# Altium PCB BA-77GHz-Radar_Frontend.PcbDoc (part 3 of 4) (continued)
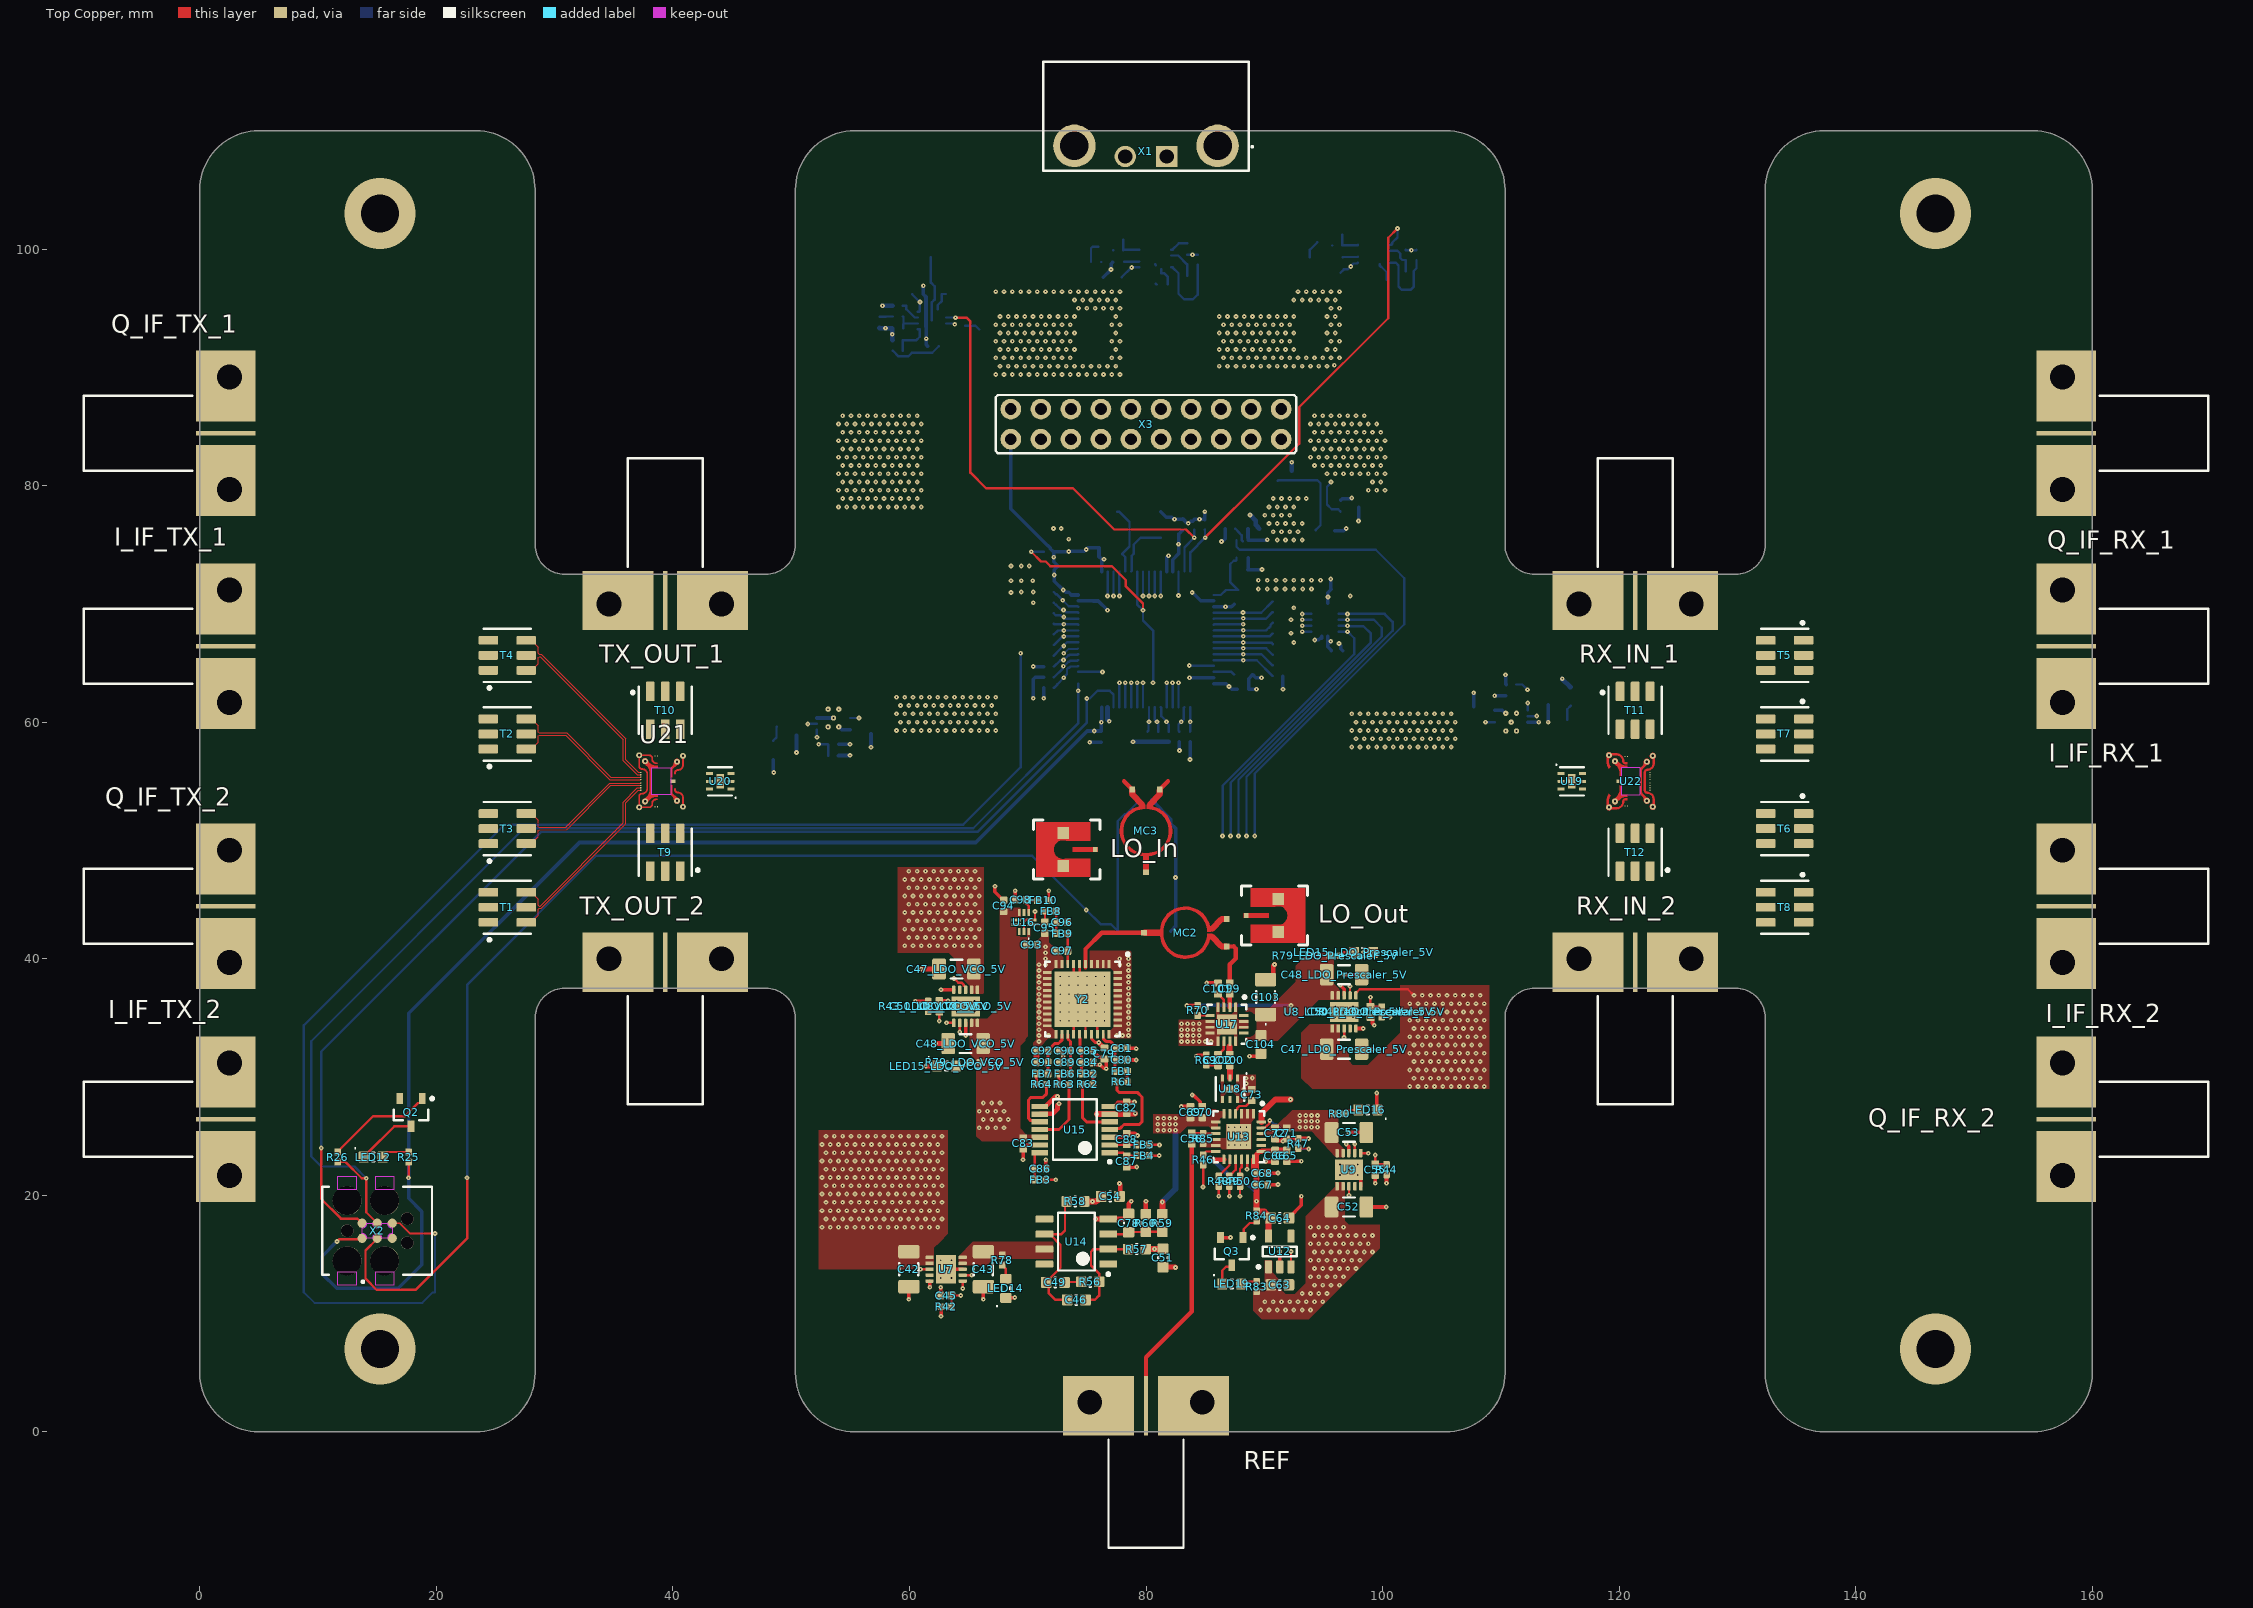
[diagram p0: Top Copper view]
## Nets (pads, with @x,y where several pads share a name; then routed paths per layer and width w, separated by ;. In a path a pad name is that pad's centre, name@x,y a point inside that pad or via, vN(x,y) a via of type N, cw(c..) or ccw(c..) an arc to the next point about the centre after c; other vN are vias at no path point) (continued)
NetC29_1: C29.1 L2.1 U5.8 | length 0.2
  Bot Copper w0.2: U5.8@80.775,98.7 U5.8@80.838,98.638 ; C29.1@80.838,97.062 C29.1@80.9,97
NetC29_2: C29.2 U5.7 | length 1.7
  Bot Copper w0.2: U5.7@81.275,98.3 81.275,97.966 81.517,97.966 81.85,97.633 C29.2@81.85,97
NetC32_2: C32.2 R32.2 R36.2 U5.9 | length 8.3
  Signal Layer 2 w0.2: v1(78.785,98.44) 79.86,99.515 v1(83.935,99.515)
  Bot Copper w0.2: C32.2@77.95,97.6 77.95,97.625 78.775,98.45 U5.9@79.425,98.45 ; R32.2@83.475,99.525 R36.2@84.375,99.525
NetC33_2: C33.2 U5.10 | length 1.3
  Bot Copper w0.2: C33.2@78.15,98.9 78.175,98.925 79.4,98.925 U5.10@79.425,98.95
NetC36_1: C36.1 L3.1 U6.8
NetC36_2: C36.2 U6.7 | length 1.6
  Bot Copper w0.2: U6.7@99.775,98.7 99.775,98.575 99.85,98.5 99.883,98.5 100.35,98.033 C36.2@100.35,97.4
NetC39_2: C39.2 R37.2 R41.2 U6.9 | length 8.4
  Signal Layer 2 w0.2: v1(97.312,98.517) 98.698,99.903 v1(102.435,99.903)
  Bot Copper w0.2: C39.2@96.45,98 96.729,98.279 97.054,98.279 97.55,98.775 97.85,98.775 U6.9@97.925,98.85 ; R37.2@101.975,99.925 101.975,99.913 102.875,99.913 R41.2@102.875,99.925
NetC40_2: C40.2 U6.10 | length 1.3
  Bot Copper w0.2: C40.2@96.65,99.3 96.675,99.325 97.9,99.325 U6.10@97.925,99.35
NetC45_2: C45.2 R42.2 U7.7 | length 5.1
  Top Copper w0.2: R42.2@63.525,10.573 63.55,10.598 63.55,11.498 C45.2@63.575,11.523 v1(64.34,11.523) ; U7.7@64.5,13.248 v1(65.265,13.248)
  Signal Layer 2 w0.2: v1(64.34,11.523) 64.364,11.5 65.133,11.5 65.265,11.633 v1(65.265,13.248)
NetC49_2: C49.2 R56.1 | length 1.4
  Top Copper w0.2: C49.2@73.11,12.628 73.147,12.666 74.523,12.666 R56.1@74.535,12.678
NetC50_LDO_Prescaler_5V_2: C50_LDO_Prescaler_5V.2 R43_LDO_Prescaler_5V.2 U8_LDO_Prescaler_5V.7 | length 4.8
  Top Copper w0.2: U8_LDO_Prescaler_5V.7@97.25,36.9 v1(97.25,37.665) ; v1(98.975,36.74) C50_LDO_Prescaler_5V.2@98.975,35.975 99,35.95 99.9,35.95 R43_LDO_Prescaler_5V.2@99.925,35.925
  Signal Layer 2 w0.2: v1(97.25,37.665) 98.312,37.665 98.314,37.667 98.937,37.044 98.937,36.779 v1(98.975,36.74)
NetC50_LDO_VCO_5V_2: C50_LDO_VCO_5V.2 R43_LDO_VCO_5V.2 U8_LDO_VCO_5V.7 | length 5
  Top Copper w0.2: R43_LDO_VCO_5V.2@61.575,35.55 61.6,35.525 62.5,35.525 C50_LDO_VCO_5V.2@62.525,35.5 v1(62.525,34.735) ; v1(64.25,33.81) U8_LDO_VCO_5V.7@64.25,34.575
  Signal Layer 2 w0.2: v1(62.525,34.735) 62.525,34.125 62.84,33.81 v1(64.25,33.81)
NetC55_2: C55.2 R44.2 U9.7 | length 4.7
  Top Copper w0.2: U9.7@97.659,23.559 v1(97.659,24.324) ; v1(99.384,23.399) C55.2@99.384,22.634 99.409,22.609 100.309,22.609 R44.2@100.334,22.584
  Signal Layer 2 w0.2: v1(97.659,24.324) 98.655,24.324 99.346,23.634 99.346,23.438 v1(99.384,23.399)
NetC56_2: C56.2 REF.1 | length 23.7
  Top Copper w0.367: REF.1@80,2.2 80,6.3 83.875,10.175 C56.2@83.875,24.323
NetC60_LDO_RX_3V3_2: C60_LDO_RX_3V3.2 R45_LDO_RX_3V3.2 U10_LDO_RX_3V3.7 | length 4.5
  Signal Layer 2 w0.2: v1(112.25,62.75) 113.04,61.96 v1(113.04,60.526)
  Bot Copper w0.2: R45_LDO_RX_3V3.2@111.3,63.183 111.817,63.183 v1(112.25,62.75) ; U10_LDO_RX_3V3.7@112.275,60.5 112.288,60.513 113.027,60.513 v1(113.04,60.526)
NetC60_LDO_TX_3V3_2: C60_LDO_TX_3V3.2 R45_LDO_TX_3V3.2 U10_LDO_TX_3V3.7 | length 4.7
  Signal Layer 2 w0.2: v1(51.41,59.85) 51.41,58.854 52.1,58.163 52.296,58.163 v1(52.335,58.125)
  Bot Copper w0.2: v1(51.41,59.85) U10_LDO_TX_3V3.7@52.175,59.85 ; v1(52.335,58.125) C60_LDO_TX_3V3.2@53.1,58.125 53.125,58.1 53.125,57.192 R45_LDO_TX_3V3.2@53.15,57.167
NetC96_2: C96.2 FB8.2 FB9.1 | length 1.9
  Top Copper w0.2: FB9.1@72.425,42.125 C96.2@72.425,43.075 FB8.2@72.425,44.025
NetC102_2: C102.2 R69.2 | length 1
  Top Copper w0.2: R69.2@85.114,31.003 85.139,30.978 86.064,30.978 C102.2@86.089,30.953
NetFB1_1: FB1.1 R61.2 | length 0.9
  Top Copper w0.25: R61.2@78.41,29.581 FB1.1@78.41,30.481
NetFB2_1: FB2.1 R62.2 | length 0.9
  Top Copper w0.25: R62.2@75.5,29.375 FB2.1@75.5,30.275
NetFB6_1: FB6.1 R63.2 | length 0.9
  Top Copper w0.25: R63.2@72.65,29.375 FB6.1@72.65,30.275
NetFB7_1: FB7.1 R64.2 | length 0.9
  Top Copper w0.25: R64.2@70.75,29.375 FB7.1@70.75,30.275
NetLED4_1: LED4.1 R12.2 | length 1.3
  Bot Copper w0.2: R12.2@64.7,93.525 65.408,93.525 65.412,93.521 65.579,93.521 LED4.1@65.9,93.2
NetLED6_1: LED6.1 R14.2 | length 1.9
  Bot Copper w0.2: R14.2@75.35,98.9 75.35,100.074 75.476,100.2 LED6.1@75.975,100.2
NetLED8_1: LED8.1 R16.2 | length 1.6
  Bot Copper w0.2: R16.2@93.85,99.3 93.85,99.925 94.475,100.55 LED8.1@94.475,100.6
NetLED12_1: LED12.1 R25.1 | length 2.4
  Top Copper w0.2: LED12.1@15.455,23.234 15.455,23.281 15.78,23.605 15.843,23.605 15.897,23.659 R25.1@17.655,23.659
NetLED12_2: LED12.2 Q2.3 | length 5.1
  Top Copper w0.2: LED12.2@13.855,23.234 13.855,23.281 14.18,23.605 14.226,23.605 16.451,25.83 Q2.3@17.861,25.83
NetLED14_1: LED14.1 R78.2 | length 1.3
  Top Copper w0.2: R78.2@67.85,14.098 67.85,14.073 68.15,13.773 LED14.1@68.15,12.923
NetLED15_LDO_Prescaler_5V_1: LED15_LDO_Prescaler_5V.1 R79_LDO_Prescaler_5V.2 | length 1.3
  Top Copper w0.2: R79_LDO_Prescaler_5V.2@96.4,40.25 96.425,40.25 96.725,40.55 LED15_LDO_Prescaler_5V.1@97.575,40.55
NetLED15_LDO_VCO_5V_1: LED15_LDO_VCO_5V.1 R79_LDO_VCO_5V.2 | length 1.3
  Top Copper w0.2: LED15_LDO_VCO_5V.1@63.925,30.925 64.775,30.925 65.075,31.225 R79_LDO_VCO_5V.2@65.1,31.225
NetLED16_1: LED16.1 R80.2 | length 1.3
  Top Copper w0.2: R80.2@96.809,26.909 96.834,26.909 97.134,27.209 LED16.1@97.984,27.209
NetLED17_LDO_RX_3V3_1: LED17_LDO_RX_3V3.1 R81_LDO_RX_3V3.2 | length 1.3
  Bot Copper w0.2: R81_LDO_RX_3V3.2@115.6,60.2 115.616,60.216 115.616,61.091 LED17_LDO_RX_3V3.1@115.9,61.375
NetLED17_LDO_TX_3V3_1: LED17_LDO_TX_3V3.1 R81_LDO_TX_3V3.2 | length 1.3
  Bot Copper w0.2: LED17_LDO_TX_3V3.1@48.475,58.425 48.759,58.709 48.759,59.584 R81_LDO_TX_3V3.2@48.775,59.6
NetLED18_1: LED18.1 R82.2 | length 7.9
  Bot Copper w0.2: R82.2@91.125,80.4 91.175,80.45 94.5,80.45 94.75,80.2 94.75,76.653 94.35,76.253 LED18.1@94.35,76.2
NetLED19_1: LED19.1 R83.1 | length 1.4
  Top Copper w0.2: LED19.1@88.05,12.5 88.25,12.7 R83.1@89.35,12.7
NetLED19_2: LED19.2 Q3.3 | length 2.1
  Top Copper w0.2: LED19.2@86.45,12.5 86.45,13.63 86.787,13.967 87.137,13.967 Q3.3@87.25,14.08
NetLO_In_1: LO_In.1 MC3.1
NetQ2_1: Q2.1 R26.2 | length 9.2
  Top Copper w0.2: R26.2@11.655,23.659 11.655,23.684 14.655,26.684 17.325,26.684 18.436,27.795 18.631,27.795 18.811,27.975 Q2.1@18.811,28.17
NetQ3_1: Q3.1 R84.2 | length 2.1
  Top Copper w0.2: Q3.1@88.2,16.42 88.25,16.47 88.25,17.125 88.775,17.65 89.175,17.65 R84.2@89.35,17.825
NetR23_2: R23.2 U3.5 | length 1.3
  Bot Copper w0.2: R23.2@87.538,76.35 87.563,76.35 87.738,76.175 87.738,76.15 88.1,75.788 88.1,75.375 U3.5@88.175,75.3
NetR24_1: R24.1 U1.60 | length 2.2
  Bot Copper w0.2: R24.1@72.2,69.201 72.375,69.026 72.787,69.026 72.913,68.9 73.021,68.9 73.171,68.75 U1.60@74.262,68.75
  other v1: 73.054,68.9
NetR27_1: R27.1 R28.2 U4.8 | length 3.3
  Bot Copper w0.2: R27.1@59.425,91.4 59.419,91.4 59.419,91.852 59.425,91.858 R28.2@59.425,92.3 60.586,92.3 60.875,92.589 U4.8@60.875,92.922 60.875,93.21 U4.8@60.712,93.21
NetR29_2: R29.2 U4.10 | length 1.9
  Bot Copper w0.2: R29.2@59.425,95.2 59.732,95.2 59.732,94.922 60.444,94.21 U4.10@60.712,94.21
NetR31_2: R31.2 U5.3 | length 1.6
  Bot Copper w0.2: U5.3@82.125,99.95 82.25,99.95 82.775,100.475 R31.2@83.475,100.475
NetR32_1: R32.1 R35.2 U5.4 | length 2.6
  Bot Copper w0.2: U5.4@82.125,99.45 82.725,99.45 83.475,98.7 R32.1@83.475,98.675 83.475,98.195 R35.2@83.475,97.725
NetR33_1: R33.1 R34.2 U5.12 | length 2.3
  Bot Copper w0.2: R34.2@78.1,100.8 78.088,100.8 78.088,99.9 R33.1@78.1,99.9 78.125,99.925 79.4,99.925 U5.12@79.425,99.95
NetR36_1: R36.1 U5.6 | length 7.1
  Bot Copper w0.2: U5.6@82.125,98.45 82.25,98.45 82.75,97.95 82.75,96.225 83.225,95.75 83.975,95.75 84.375,96.15 R36.1@84.375,98.675
NetR37_1: R37.1 R40.2 U6.4 | length 2.8
  Bot Copper w0.2: U6.4@100.625,99.85 101.264,99.85 101.492,99.621 101.492,99.252 101.67,99.075 R37.1@101.975,99.075 101.975,98.592 R40.2@101.975,98.125
NetR38_1: R38.1 R39.2 U6.12 | length 2.3
  Bot Copper w0.2: R39.2@96.6,101.2 96.59,101.2 96.59,100.3 R38.1@96.6,100.3 96.625,100.325 97.9,100.325 U6.12@97.925,100.35
NetR41_1: R41.1 U6.6 | length 6.5
  Bot Copper w0.2: U6.6@100.625,98.85 101.118,98.85 101.35,98.618 101.35,96.825 101.625,96.55 102.375,96.55 102.625,96.8 102.625,98.125 102.875,98.375 R41.1@102.875,99.075
NetR47_2: R47.2 U13.23 | length 6.3
  Top Copper w0.2: U13.23@89.76,25.705 89.785,25.73 90.06,25.73 90.21,25.88 90.224,25.88 90.422,26.077 90.422,26.287 v1(90.46,26.325) ; R47.2@92.86,23.948 93.711,23.948 v1(93.75,23.909)
  Bot Copper w0.2: v1(90.46,26.325) 90.514,26.325 90.818,26.021 91.004,26.021 93.116,23.909 v1(93.75,23.909)
NetR70_2: R70.2 U17.5 | length 1
  Top Copper w0.2: R70.2@84.36,35.203 U17.5@85.41,35.203
NetU21_D1: 
NetU21_D2: 
NetU21_D3: 
NetU21_D4: 
NetU21_D5: 
NetU21_D6: 
NetU21_D7: 
NetU21_D8: 
NetU21_D9: 
NetU21_D10: 
NetU21_D11: 
NetU21_D12: 
NetU21_D13: 
NetU21_D14: 
NetU21_D15: 
NetU21_D16: 
NetU21_D17: 
NetU21_D18: 
NetU21_D19: 
NetU22_D1: 
NetU22_D2: 
NetU22_D3: 
NetU22_D4: 
NetU22_D5: 
NetU22_D6: 
NetU22_D7: 
NetU22_D8: 
NetU22_D9: 
NetU22_D10: 
NetU22_D11: 
NetU22_D12: 
NetU22_D13: 
NetU22_D14: 
NetU22_D15: 
NetU22_D16: 
NetU22_D17: 
NetU22_D18: 
NetU22_D19: 
PSC_FB: C100.2 U18.2 | length 1.1
  Top Copper w0.51: C100.2@87.085,30.953 87.093,30.946 87.093,29.907 U18.2@87.1,29.9
PSC_IN_N: C101.1 U17.3 | length 1.3
  Top Copper w0.2: C101.1@86.085,37.003 86.11,37.003 86.56,36.553 86.56,35.903 U17.3@86.585,35.878
PSC_IN_P: C99.1 U17.2 | length 1.1
  Top Copper w0.367: U17.2@87.085,35.878 C99.1@87.085,37.003
PSC_OUT_N: C102.1 U17.10 | length 1.3
  Top Copper w0.2: C102.1@86.089,31.903 86.114,31.903 86.585,32.374 U17.10@86.585,33.028
PSC_OUT_P: C100.1 U17.11 | length 0.7
  Top Copper w0.51: 87.055,32.572 87.055,31.933 C100.1@87.085,31.903
Q_IF_RX_1: Q_IF_RX_1.1 T5.3
Q_IF_RX_2: Q_IF_RX_2.1 T8.3
Q_IF_TX_1: Q_IF_TX_1.1 T4.3
Q_IF_TX_2: Q_IF_TX_2.1 T3.3
REF: C56.1 R85.2 U13.9 | length 2.1
  Top Copper w0.2: C56.1@83.875,25.273 83.9,25.248 84.8,25.248 R85.2@84.825,25.223 84.834,25.214 85.901,25.214 U13.9@85.91,25.205
RX_IF_I_1_N: T7.4 U22.2
RX_IF_I_1_P: T7.6 U22.3
RX_IF_I_2_N: T6.4 U22.11
RX_IF_I_2_P: T6.6 U22.10
RX_IF_Q_1_N: T5.4 U22.4
RX_IF_Q_1_P: T5.6 U22.5
RX_IF_Q_2_N: T8.4 U22.13
RX_IF_Q_2_P: T8.6 U22.12
RX_IN_1: RX_IN_1.1 T11.3
RX_IN_1_N: T11.4 U22.9
RX_IN_1_P: T11.6 U22.8
RX_IN_2: RX_IN_2.1 T12.3
RX_IN_2_N: T12.4 U22.16
RX_IN_2_P: T12.6 U22.17
TPS61377_EN: R20.2 U1.15 U4.2 | length 40.1
  Top Copper w0.2: v1(63.9,94.2) 64.833,94.2 65.15,93.883 65.15,81.1 66.475,79.775 73.825,79.775 77.31,76.29 83.385,76.29 v1(84.075,75.6)
  Bot Copper w0.2: U4.2@63.088,94.21 63.89,94.21 v1(63.9,94.2) ; U1.15@83.25,72.738 83.25,74.775 v1(84.075,75.6) R20.2@84.075,76.275
TX_IF_I_1_N: T2.4 U21.3 | length 12
  Top Copper w0.1: T2.4@27.6,60.27 28.05,60.27 28.625,59.695 28.625,59.159 28.684,59.1 31.006,59.1 34.756,55.35 U21.3@37.284,55.35
TX_IF_I_1_P: T2.6 U21.2 | length 12
  Top Copper w0.1: T2.6@27.6,57.73 28.05,57.73 28.625,58.305 28.625,58.841 28.684,58.9 30.924,58.9 34.674,55.15 U21.2@37.284,55.15
TX_IF_I_2_N: T3.4 U21.10 | length 12
  Top Copper w0.1: T3.4@27.6,52.27 28.05,52.27 28.625,51.695 28.625,51.159 28.684,51.1 30.924,51.1 34.674,54.85 U21.10@37.284,54.85
TX_IF_I_2_P: T3.6 U21.11 | length 12
  Top Copper w0.1: T3.6@27.6,49.73 28.05,49.73 28.625,50.305 28.625,50.841 28.684,50.9 31.006,50.9 34.756,54.65 U21.11@37.284,54.65
TX_IF_Q_1_N: T4.4 U21.5 | length 15.7
  Top Copper w0.1: T4.4@27.6,66.92 28.05,66.92 28.625,66.345 28.625,65.809 28.684,65.75 28.849,65.75 36,58.599 36,56.834 37.084,55.75 U21.5@37.284,55.75
TX_IF_Q_1_P: T4.6 U21.4 | length 15.7
  Top Copper w0.1: T4.6@27.6,64.38 28.05,64.38 28.625,64.955 28.625,65.491 28.684,65.55 28.766,65.55 35.8,58.516 35.8,56.751 37.001,55.55 U21.4@37.284,55.55
TX_IF_Q_2_N: T1.4 U21.12 | length 15.7
  Top Copper w0.1: T1.4@27.6,45.62 28.05,45.62 28.625,45.045 28.625,44.509 28.684,44.45 28.766,44.45 35.8,51.484 35.8,53.249 37.001,54.45 U21.12@37.284,54.45
TX_IF_Q_2_P: T1.6 U21.13 | length 15.7
  Top Copper w0.1: T1.6@27.6,43.08 28.05,43.08 28.625,43.655 28.625,44.191 28.684,44.25 28.849,44.25 36,51.401 36,53.166 37.084,54.25 U21.13@37.284,54.25
TX_OUT_1: T10.3 TX_OUT_1.1
TX_OUT_1_N: T10.4 U21.6
TX_OUT_1_P: T10.6 U21.7
TX_OUT_2: T9.3 TX_OUT_2.1
TX_OUT_2_N: T9.4 U21.15
TX_OUT_2_P: T9.6 U21.14
uC_R\E\S\E\S\T\: C16.1 R66.1 U1.7 X2.3 X4.1 X4.2 | length 154.9
  Top Copper w0.2: X2.3@15,16.365 15,16.318 14.008,15.327 14.008,12.951 14.96,12 18.251,12 22.6,16.349 22.6,21.421 v1@22.65,21.471 ; v1(70.299,74.4) 71.118,73.581 71.52,73.581 71.906,73.195 77.105,73.195 78.3,72 78.3,71.48 79.75,70.03 v1(79.75,69.456)
  Signal Layer 2 w0.2: v1(74.95,44.125) 74.95,56.925 80.6,62.575 v1(80.6,63.325)
  Bot Copper w0.2: v1(22.6,21.471) 22.6,37.775 33.525,48.7 70.375,48.7 v1(74.95,44.125) 76.151,42.924 77.024,42.924 X4.1@77.605,42.343 ; v1(70.299,74.4) R66.1@71.35,74.4 ; X4.1@77.605,42.324 X4.1@77.605,42.343 ; U1.7@79.25,72.738 79.25,69.956 v1(79.75,69.456) 79.75,68.6 80.6,67.75 v1(80.6,63.325) ; C16.1@79.525,53.453 79.525,53.428 79.325,53.228 79.3,53.228 78.291,52.22 78.186,52.22 77.605,51.639 X4.1@77.605,42.343
uC_SWCLK: R26.1 U1.49 X2.4 | length 101.7
  Top Copper w0.2: R26.1@11.655,22.809 12.326,22.809 13.7,21.436 v1(14.075,21.436) 14.075,18.56 X2.4@15,17.635
  Bot Copper w0.2: v1(14.075,21.436) 13.076,22.435 10.275,22.435 9.425,23.285 9.425,33.025 27.425,51.025 65.4,51.025 74.262,59.887 v1(74.262,62.65) U1.49@74.262,63.25
uC_SWDIO: U1.46 X2.2 | length 98.8
  Top Copper w0.2: v1(10.275,24) 10.275,19.683 11.93,18.029 13.319,18.029 13.713,17.635 X2.2@13.73,17.635
  Bot Copper w0.2: v1(10.275,24) 10.275,32.15 28.85,50.725 65.75,50.725 74.999,59.974 v1(74.999,62) 75.25,62 75.9,62.65 76.925,62.65 77.25,62.325 U1.46@77.25,61.262
uC_SWO: U1.55 X2.6 | length 127.7
  Top Copper w0.15: X2.6@16.27,17.635 16.919,17.635 17.796,16.759 v1(19.885,16.759)
  Signal Layer 2 w0.2: v1(69.4,65.825) v1(73.05,65.825)
  Bot Copper w0.15: 8.8,11.799 9.7,10.9 18.82,10.9 19.706,11.785 19.885,11.785 v1(19.885,16.759) ; v1(73.05,65.825) 73.086,65.825 73.436,66.175 74.187,66.175 U1.55@74.262,66.25
  Bot Copper w0.2: 8.8,11.799 8.8,34.375 25.75,51.325 64.539,51.325 69.4,56.186 v1(69.4,65.825)
V_OUT: C46.1 C49.1 R58.2 U14.6 | length 12.1
  Top Copper w0.2: U14.6@71.41,16.718 U14.6@71.86,16.718 ; R58.2@73.285,19.478 73.147,19.341 73.147,17.018 72.848,16.718 U14.6@71.86,16.718 ; C46.1@73.335,11.153 72.34,11.153 71.789,11.704 71.789,12.399 C49.1@71.56,12.628 71.56,12.653 72.772,13.866 72.772,15.806 U14.6@71.86,16.718
V_Tune: C54.2 C79.2 R58.1 Y2.27 | length 17.9
  Top Copper w0.25: Y2.27@75.385,33.606 75.385,33.242 75.692,32.935 75.981,32.935 v1(76.01,32.906) ; C79.2@76.46,32.456 C79.2@76.485,32.456
  Top Copper w0.4: v1(76.01,32.906) C79.2@76.46,32.456
  Top Copper w0.5: R58.1@74.785,19.478 v1(75.485,19.478) 75.785,19.478 75.86,19.553 75.885,19.553 76.21,19.878 C54.2@76.21,19.903
  Signal Layer 2 w0.5: v1(75.485,19.478) 74.45,20.513 74.45,31.346 v1(76.01,32.906)
VC_A0: FB4.1 R7.2 U1.40 | length 43.2
  Top Copper w0.2: FB4.1@80.285,23.356 v1(81.118,23.356)
  Signal Layer 2 w0.2: v1(80.25,60.025) 79.625,59.4 79.625,30.325 77.75,28.45 77.75,24.7 79.094,23.356 v1(81.118,23.356)
  Bot Copper w0.2: R7.2@80.125,59.2 80.212,59.287 80.212,59.987 v1(80.25,60.025) U1.40@80.25,61.262
VC_A1: FB3.1 R8.2 U1.52 | length 48.5
  Top Copper w0.2: FB3.1@71.535,21.303 v1(72.368,21.303)
  Signal Layer 2 w0.2: v1(72.368,21.303) 72.368,24.439 70.883,25.924 70.883,28.261 72.446,29.825 72.446,33.804 71.75,34.5 71.75,38.75 72.5,39.5 72.5,63.2 v1(73.05,63.75)
  Bot Copper w0.2: R8.2@72.2,62.9 72.225,62.9 72.509,63.184 72.509,63.209 v1(73.05,63.75) 73.054,63.75 73.054,63.804 73.324,64.074 73.324,64.483 73.442,64.6 73.525,64.6 73.624,64.7 74.212,64.7 U1.52@74.262,64.75
VC_EN: FB5.1 R6.2 U1.39 | length 42.1
  Top Copper w0.2: FB5.1@80.31,24.256 v1(81.143,24.256)
  Signal Layer 2 w0.2: v1(80.925,60.025) 80.925,31.075 78.582,28.732 78.582,24.593 78.919,24.256 v1(81.143,24.256)
  Bot Copper w0.2: U1.39@80.75,61.262 80.75,60.235 80.925,60.06 80.925,59.971 81.025,59.871 R6.2@81.025,59.2
VCB_EN: FB10.1 R5.2 U1.53 | length 26.4
  Top Copper w0.2: FB10.1@71.785,44.928 71.785,45.747 v1(71.788,45.75)
  Signal Layer 2 w0.2: v1(71.788,45.75) 68.95,48.588 68.95,62.45 71.233,64.733 v1(73.013,64.733)
  Bot Copper w0.2: R5.2@72.2,63.8 72.225,63.8 72.974,64.549 72.974,64.695 v1(73.013,64.733) ; v1@73.042,64.708 73.105,64.772 73.114,64.772 73.324,64.982 ; 73.324,64.983 73.442,65.1 73.524,65.1 73.624,65.2 74.212,65.2 U1.53@74.262,65.25
VCC: C24.2 U4.3 U4.11 | length 7
  Signal Layer 2 w0.2: v1(60.885,95.515) 60.885,94.49 61.743,93.632 v1(63.832,93.632)
  Bot Copper w0.2: C24.2@60.225,96.2 60.225,96.175 60.875,95.525 U4.11@60.875,94.998 60.875,94.873 60.874,94.735 60.849,94.71 U4.11@60.712,94.71 ; U4.3@63.088,93.71 63.699,93.71 63.778,93.632 v1(63.832,93.632)
VCO_20GHz: MC2.1 Y2.5 | length 6.8
  Top Copper w0.367: Y2.5@74.885,39.272 Y2.5@74.885,39.556 74.885,40.825 76.26,42.2 79.542,42.2
VCO_FB: C99.2 MC2.3 | length 4
  Top Copper w0.367: MC2.3@86.825,41.037 87.407,41.037 87.41,41.04 87.585,40.865 87.585,40.018 87.085,39.518 C99.2@87.085,37.953
WPD_LO_RX: MC3.3 U19.2 | length 1
  Top Copper w0.367: MC3.3@81.163,54.3 81.863,55
WPD_LO_TX: MC3.2 U20.2 | length 1
  Top Copper w0.367: 78.137,55 MC3.2@78.837,54.3
pads on no net: U1.50 U2.6 U2.9 U5.5 U6.5 U7.4 U8_LDO_Prescaler_5V.4 U8_LDO_VCO_5V.4 U9.4 U10_LDO_RX_3V3.4 U10_LDO_TX_3V3.4 U11.4 U12.4 U13.20 U13.21 U14.1 U14.5 U14.8 U16.5 U16.7 U16.8 U16.9 U21.D1 U21.D2 U21.D3 U21.D4 U21.D5 U21.D6 U21.D7 U21.D8 U21.D9 U21.D10 U21.D11 U21.D12 U21.D13 U21.D14 U21.D15 U21.D16 U21.D17 U21.D18 U21.D19 U21.L1 U21.L2 U21.L3 U21.L4 U21.L5 U21.L6 U21.L7 U21.L8 U21.L9 U21.L10 U21.L11 U21.L12 U21.L13 U21.L14 U21.L15 U21.L16 U21.L17 U21.L18 U21.L19 U22.D1 U22.D2 U22.D3 U22.D4 U22.D5 U22.D6 U22.D7 U22.D8 U22.D9 U22.D10 U22.D11 U22.D12 U22.D13 U22.D14 U22.D15 U22.D16 U22.D17 U22.D18 U22.D19 U22.L1 U22.L2 U22.L3 U22.L4 U22.L5 U22.L6 U22.L7 U22.L8 U22.L9 U22.L10 U22.L11 U22.L12 U22.L13 U22.L14 U22.L15 U22.L16 U22.L17 U22.L18 U22.L19 X2.
copper on no net:
  other v2: 15.25,7 146.75,7 15.25,103 146.75,103

## Polygon pours and split planes (outlines as drawn)
+6V_BUCK on Signal Layer 1 "+6V_BUCK_L03_P006" (solid, pour order 6): 68.541,41.04 76.605,32.976 76.605,14.395 84.25,6.75 98.25,6.75 101.5,10 101.5,49.153 103.298,50.951 111.325,58.84 111.325,61.075 103,69.4 103,86.325 99.95,89.375 90.555,89.375 90.553,89.373 85.578,89.373 85.575,89.375 85.575,97.2 91.875,97.2 91.924,97.249 96.775,97.249 109,97.399 109,74.5 117.5,66 117.5,53.25 109,44.75 109,3.175 107.075,1.25 73.5,1.25 65.1,9.65 65.1,31.425 59,37.525 59,47.75 68.541,47.75
+4V_BUCK on Signal Layer 1 "+4V_BUCK_L03_P053" (solid, pour order 53): 72.331,51.12 72.331,50.842 79.665,43.549 79.563,19.312 89.375,9.5 93.75,9.5 99.75,15.5 99.75,18.181 94.5,23.431 94.5,49.5 101,56 105.5,56 106.75,57.25 106.75,62 100.7,68.05 100.7,84.3 98.5,86.5 78.325,86.5 78.275,86.45 78.275,94.175 78.275,96.8 64.375,96.8 64.375,69.362 58.25,63.237 58.25,57.842 64.973,51.12
+3V3_STM32 on Signal Layer 1 "+3V3_STM32_L03_P005" (solid, pour order 5): 94.4,80.15 88.997,80.15 85.372,76.525 73.254,76.525 71.9,75.171 71.9,61.815 74.765,58.95 84.1,58.95 86.412,61.262 90.14,61.262 95.95,67.072 95.95,72.425 94.4,73.975 94.4,80.15
+16V_BOOST on Signal Layer 1 "+16V_BOOST_L03_P052" (solid, pour order 52): 60.271,25.5 56.625,29.146 56.625,44.45 54.5,46.575 54.5,64.3 61.25,71.05 61.25,86.325 53.4,86.325 53.4,72.7 49,68.3 49,40.5 52.25,37.25 52.25,16.75 63.25,16.75 63.25,25.5
+3V3_RX on Bot Copper "+3V3_RX_L06_P059" (solid, pour order 59): 111.925,57.5 111.925,59.606 111.969,59.65 121.08,59.65 123.575,57.156 123.575,51.25 117.275,51.25 117.275,57.05 116.925,57.4 112.025,57.4
+3V3_TX on Bot Copper "+3V3_TX_L06_P056" (solid, pour order 56): 51.825,60.7 52.481,60.7 52.525,60.744 52.525,62.153 52.278,62.4 41.9,62.4 36.9,57.4 36.9,52.275 45.45,52.275 45.45,58.075 47.525,60.15 51.275,60.15
no net on Bot Copper "NONET_L06_P055" (solid, pour order 55): 51.889,60.694 52.444,60.694 52.525,60.775 52.525,61.35 52.45,61.425 52.45,61.5 52.106,61.5 51.308,62.298 51.308,62.358
GND on Bot Copper "GND_L06_P020" (solid, pour order 20): 93.549,69.925 93.772,69.701 94.625,69.701 94.625,67.901 95.625,67.901 95.625,69.401 95.125,69.401 95.125,69.926 95,70.051 95,72.25 88.512,72.25 87.975,72.787 87.975,73.225 88.3,73.55 88.3,74.22 88,74.22 88,73.55 87.675,73.225 87.375,73.225 87.375,72.575 88.35,71.6 88.35,70.969 88.55,70.769 88.55,69.5 89.384,69.5 90.634,70.75 91.275,70.75 91.275,70.2 91.275,63.694 92.475,63.694 92.425,63.744 92.425,69.925
+3V3_STM32 on Bot Copper "+3V3_STM32_L06_P050" (solid, pour order 50): 89.959,76.941 89.959,76.327 90.547,75.739 90.547,75.125 93.65,75.125 93.65,76.638 94.4,77.388 94.4,80.15 91.13,80.15 89.372,78.392 89.372,77.528
no net on Bot Copper "NONET_L06_P048" (solid, pour order 48): 71.9,74.606 71.969,74.675 72.2,74.675
+3V3_ADF4169 on Bot Copper "+3V3_ADF4169_L06_P046" (solid, pour order 46): 82.898,26.857 84.14,28.1 91.43,28.1 92.346,27.184 95.705,27.184 95.705,25.398 92.357,25.398 91.117,26.638 84.287,26.638 82.898,25.248 80.61,25.248 80.61,26.857
+5V_VCO on Bot Copper "+5V_VCO_L06_P042" (solid, pour order 42): 69.36,25.5 79.429,25.5 79.429,27.284 73.31,27.284 70.292,27.284 69.36,28.216 65.65,28.216 65.65,25.5
+4V_BUCK on Bot Copper "+4V_BUCK_L06_P035" (solid, pour order 35): 97.975,79.275 100.75,79.275 100.75,84.25 98.5,86.5 98.465,86.465 93.375,86.465 93.375,81.969 96.036,79.308 97.533,79.308
+4V_BUCK on Bot Copper "+4V_BUCK_L06_P033" (solid, pour order 33): 54.975,60.7 54.7,60.7 54.625,60.775 54.625,61.425 54.647,61.447 54.647,61.478 54.862,61.478 56.234,62.85 67.7,62.85 67.7,58.62 67.68,58.6 57.95,58.6 57.95,59.975 57.203,60.722 55.303,60.722
+4V_BUCK on Bot Copper "+4V_BUCK_L06_P032" (solid, pour order 32): 109.475,59.65 109.75,59.65 109.825,59.575 109.825,58.925 109.803,58.903 109.803,58.872 109.588,58.872 108.216,57.5 96.75,57.5 96.75,61.73 96.77,61.75 106.5,61.75 106.5,60.375 107.247,59.628 109.147,59.628
+4V_BUCK on Bot Copper "+4V_BUCK_L06_P009" (solid, pour order 9): 77.088,99.203 75.775,97.89 75.775,96.849 78.275,96.849 78.275,88.975 67.075,88.975 67.075,96.8 73.565,96.8 76.94,100.175 77.55,100.175 77.55,99.665
GND on Bot Copper "GND_L06_P023" (solid, pour order 23): 71.65,65.325 71.65,71.324 71.65,73.451 71.391,73.711 67.525,73.711 67.525,70.525 69.033,70.525 71.05,68.508 71.05,65.325
GND on Bot Copper "GND_L06_P022" (solid, pour order 22): 71.85,76.447 71.85,75.4 76.281,75.4 76.303,75.422 76.75,74.975 76.75,73.975 76.789,73.9 77.35,73.9 77.35,74.225 78.1,74.975 78.258,74.975 78.35,75.067 78.35,76.134 78.037,76.447 74.75,76.447
GND on Bot Copper "GND_L06_P016" (solid, pour order 16): 97.225,105.416 96.746,104.937 84.73,104.937 84.3,104.506 84.3,99.938 84.353,99.885 84.713,99.885 84.713,99.046 85.659,98.1 91.975,98.1 91.975,98.862 93.3,100.187 93.3,101.156 93.869,101.725 97.213,101.725 97.225,101.737 97.638,101.325 97.638,99.688 98.338,99.688 98.613,99.413 98.644,99.444 98.95,99.444 98.95,102.1 98.375,102.675 98.375,105.5 97.309,105.5
GND on Bot Copper "GND_L06_P015" (solid, pour order 15): 79.125,99.301 79.151,99.275 79.869,99.275 80.144,99 80.45,99 80.45,102.109 80.384,102.175 78.131,102.175 78.019,102.062 78.019,101.566 79.125,100.46
GND on Bot Copper "GND_L06_P014" (solid, pour order 14): 73.391,97.7 74.8,99.109 74.8,100.675 67.075,100.675 67.075,98.275 67.075,97.7
GND on Bot Copper "GND_L06_P013" (solid, pour order 13): 53.4,90.7 53.4,86.6 61.1,86.6 61.1,90.616 61.016,90.7
+6V_BUCK on Bot Copper "+6V_BUCK_L06_P010" (solid, pour order 10): 96.775,89.375 90.325,89.375 85.575,89.375 85.575,97.2 92.065,97.2 95.44,100.575 96.05,100.575 96.05,100.065 94.275,98.29 94.275,97.249 96.775,97.249
+16V_BOOST on Bot Copper "+16V_BOOST_L06_P012" (solid, pour order 12): 62.197,86.325 53.4,86.325 53.4,77.85 65.579,77.85 65.579,82.9 65.579,92.302 64.546,93.335 62.825,93.335 62.525,93.636 62.525,94.109 62.275,94.109 62.275,92.181 62.197,92.103 62.197,89.997
NetC36_1 on Bot Copper "NETC36_1_L06_P011" (solid, pour order 11): 97.775,91.25 100.475,91.25 100.475,96.225 99.7,97 99.7,98.106 99.406,98.4 99.45,98.444 99.45,99.756 99.188,99.756 99.144,99.8 99.1,99.756 99.1,98.288 97.775,96.963
NetC29_1 on Bot Copper "NETC29_1_L06_P008" (solid, pour order 8): 79.275,90.85 81.975,90.85 81.975,95.825 81.2,96.6 81.2,97.706 80.906,98 80.95,98.044 80.95,99.356 80.688,99.356 80.644,99.4 80.6,99.356 80.6,97.888 79.275,96.563
+12V on Bot Copper "+12V_L06_P000" (solid, pour order 0): 65.215,96.975 66.15,97.91 66.15,100.775 66.4,101.025 76.681,101.025 78.019,102.362 80.775,102.362 80.838,102.3 80.838,100.662 81.1,100.4 81.1,99 81.406,99 81.45,99.044 81.45,100.356 81.775,100.356 82.444,101.025 83.75,101.025 83.75,101.585 83.4,101.935 83.4,104.5 84.05,105.15 96.575,105.15 97.35,105.925 98.924,105.925 98.924,104.951 99.275,104.6 99.275,101.081 99.6,100.756 99.6,99.4 99.924,99.4 99.95,99.426 99.95,101.141 102.775,103.966 102.775,104.225 102.775,108.352 101.722,109.405 63.695,109.405 63.695,95.897 63.724,95.897 62.825,94.998 62.825,94.585 63.35,94.585 64.68,95.914 64.68,96.455 64.75,96.525 65.215,96.525
+5V_Prescaler on Top Copper "+5V_PRESCALER_L01_P047" (solid, pour order 47): 96.4,36.625 96.4,37.344 95.875,37.869 95.875,40.475 95.835,40.515 93.775,40.515 92.675,39.415 92.675,38.067 90.461,35.853 87.86,35.853 87.86,35.11 87.891,35.078 88.92,35.078 89.253,34.746 89.244,34.736 89.244,33.828 87.891,33.828 87.86,33.797 87.86,33.078 91.153,33.078 94.625,36.55 96.325,36.55
+3V3_ADF4169 on Top Copper "+3V3_ADF4169_L01_P045" (solid, pour order 45): 85.541,25.58 86.279,25.58 86.31,25.611 86.31,26.298 86.491,26.48 86.679,26.48 86.71,26.511 86.71,27.248 86.679,27.28 86.67,27.271 85.423,27.271 85.01,26.857 80.61,26.857 80.61,25.248 82.898,25.248 83.479,25.83 85.291,25.83
+3V3_ADF4169 on Top Copper "+3V3_ADF4169_L01_P043" (solid, pour order 43): 96.052,23.209 96.809,23.209 96.809,23.559 96.809,23.865 96.259,24.415 96.259,27.121 96.196,27.184 92.346,27.184 91.16,25.998 90.591,25.998 90.591,25.93 89.991,25.33 89.36,25.33 89.36,25.098 89.378,25.08 90.591,25.08 90.91,25.398 94.011,25.398
+5V_VCO on Top Copper "+5V_VCO_L01_P041" (solid, pour order 41): 70.21,33.5 69.36,32.65 69.36,25.653 69.882,25.131 71.735,25.131 71.735,24.681 70.335,24.681 70.207,24.553 66.1,24.553 65.65,25 65.65,31.431 65.1,31.981 65.1,34.85 65.122,34.903 65.228,34.903 65.25,34.925 66.581,34.925 67.635,35.979 67.635,44.291 69.412,44.291 69.398,41.81 69.96,41.81 69.96,42.591 70.21,42.591
+6V_BUCK on Top Copper "+6V_BUCK_L01_P037" (solid, pour order 37): 66.275,47.75 59,47.75 59,40.5 63.325,40.5 63.975,39.85 63.975,38.85 65.1,37.725 65.1,37.069 65.144,37.025 66.275,37.025
+16V_BOOST on Top Copper "+16V_BOOST_L01_P040" (solid, pour order 40): 62.548,16.048 62.05,15.55 62.05,14.098 60.6,14.098 60.25,13.748 52.344,13.748 52.344,25.494 52.35,25.5 63.25,25.5 63.25,16.75
+6V_BUCK on Top Copper "+6V_BUCK_L01_P036" (solid, pour order 36): 97.122,31.378 97.5,31 98.75,31 101.5,33.75 101.5,37.75 109,37.75 109,29 94.042,29 93.135,29.907 93.135,33.76 93.825,34.45 96.4,34.45 96.4,32.7 97.122,31.978
+4V_BUCK on Top Copper "+4V_BUCK_L01_P034" (solid, pour order 34): 91.31,12.825 91.31,12.113 91.804,11.619 92.56,11.619 93.5,12.559 93.5,18.216 96.009,20.725 96.009,21.109 96.765,21.109 96.809,21.065 96.809,17.851 97.16,17.5 99.75,17.5 99.75,15.5 93.75,9.5 89.806,9.5 89.075,10.231 89.075,12.11 89.115,12.15 89.81,12.15 90.06,12.4 90.06,14.5 90.629,14.5 90.66,14.425 90.66,14.424 90.66,13.475
GND on Top Copper "GND_L01_P028" (solid, pour order 28): 84.55,24.633 84.55,24.073 84.825,24.073 86.285,24.073 86.454,23.905 88.885,23.905 88.885,26.186 89.21,26.511 89.21,27.28 87.96,27.28 87.96,26.005 86.785,26.005 86.785,24.83 85.528,24.83 85.372,24.673 84.59,24.673
GND on Top Copper "GND_L01_P031" (solid, pour order 31): 86.21,36.278 85.96,36.278 85.96,34.947 85.832,34.819 82.75,34.819 82.75,32.628 86.21,32.628 86.21,33.452 86.361,33.603 87.46,33.603 87.46,32.66 87.71,32.66 87.71,33.628 87.71,34.078 88.66,34.078 88.66,34.828 87.86,34.828 87.71,34.978 87.71,36.26 87.692,36.278 87.46,36.278 87.46,35.51 87.254,35.303 86.835,35.303 86.21,35.303